# Altium PCB Connection_PCB.PcbDoc
Units mm, origin at the board's own origin, x right, y up, seen from the top; angles counter-clockwise.
Board outline 140 x 75 mm, 2 copper layers (Top Layer, Bottom Layer); 54 components, 51 nets, 398 pads, 12 vias.
Unrouted connection lines stored in the file: 27.
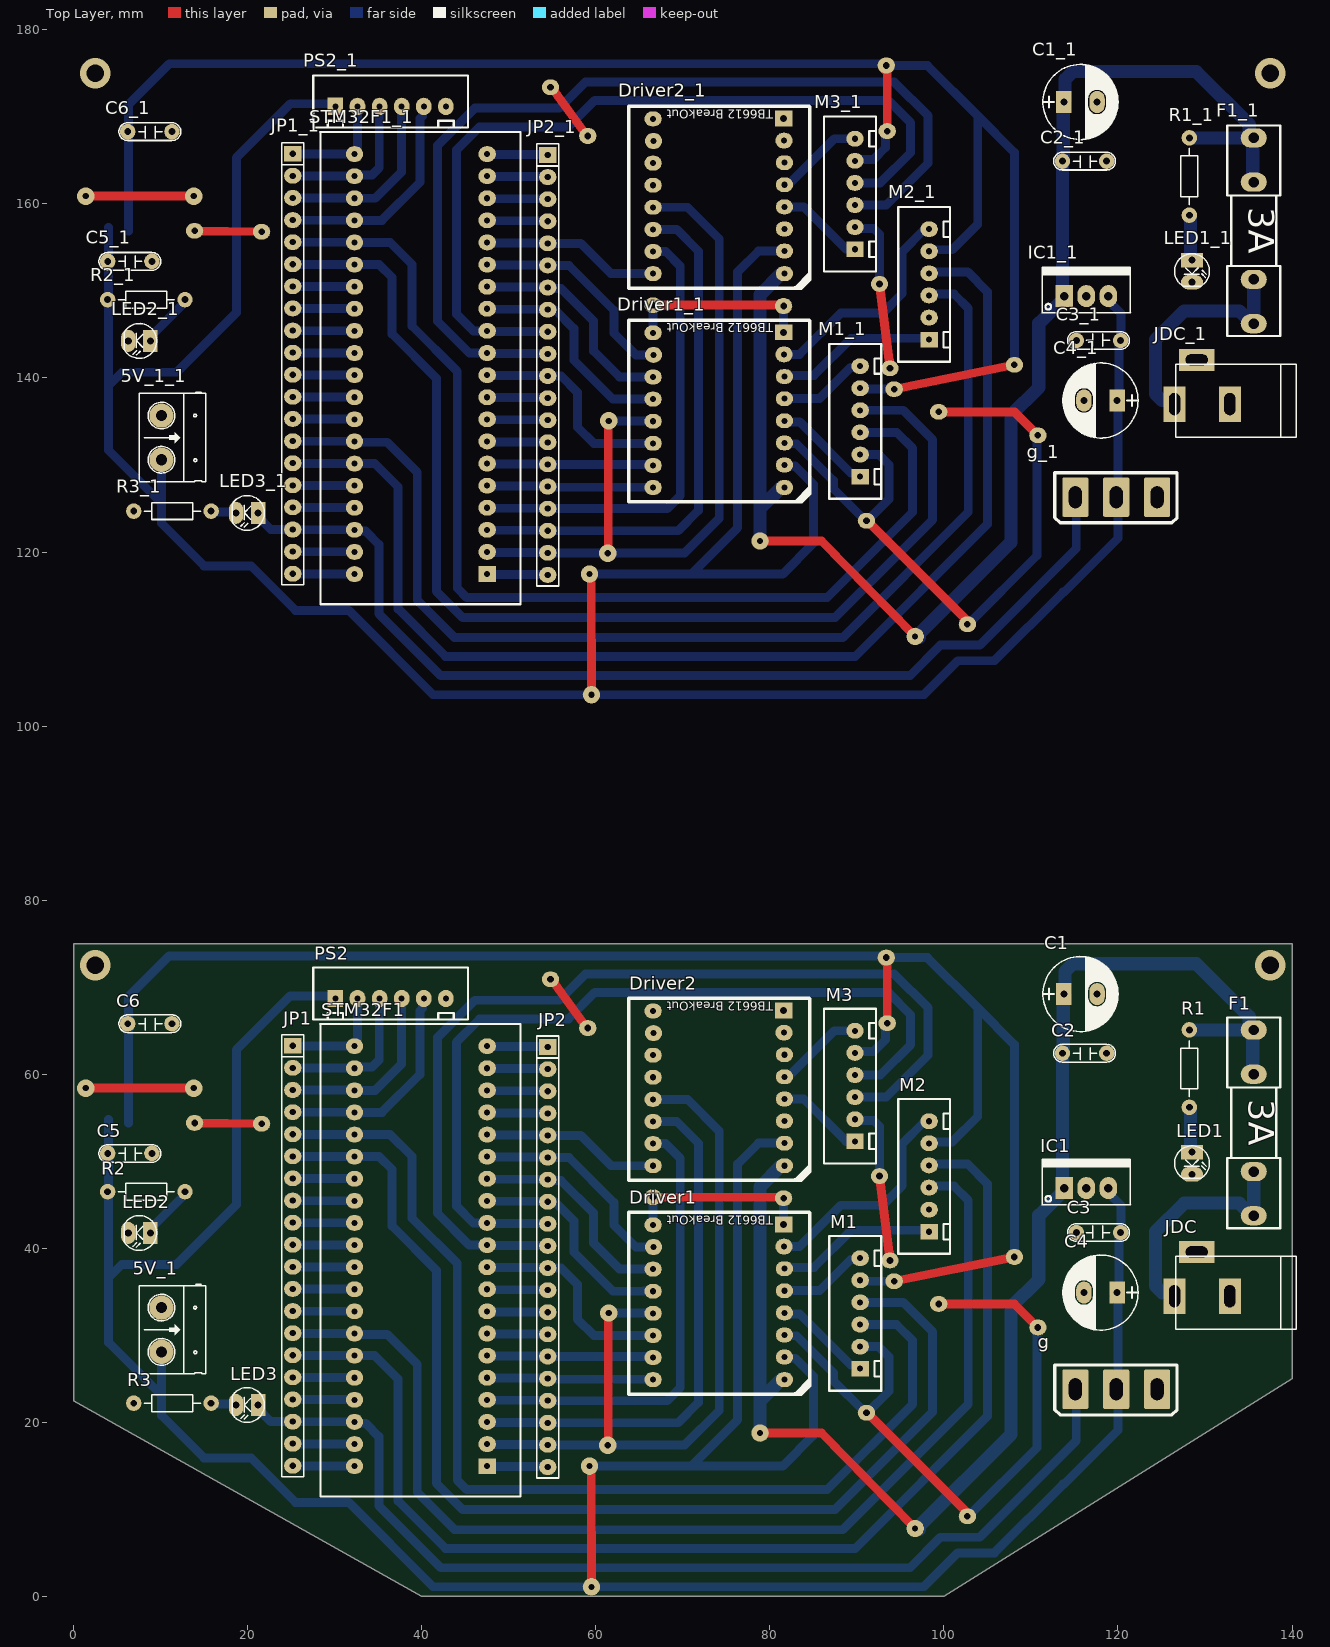
[diagram p0: Top Layer view]
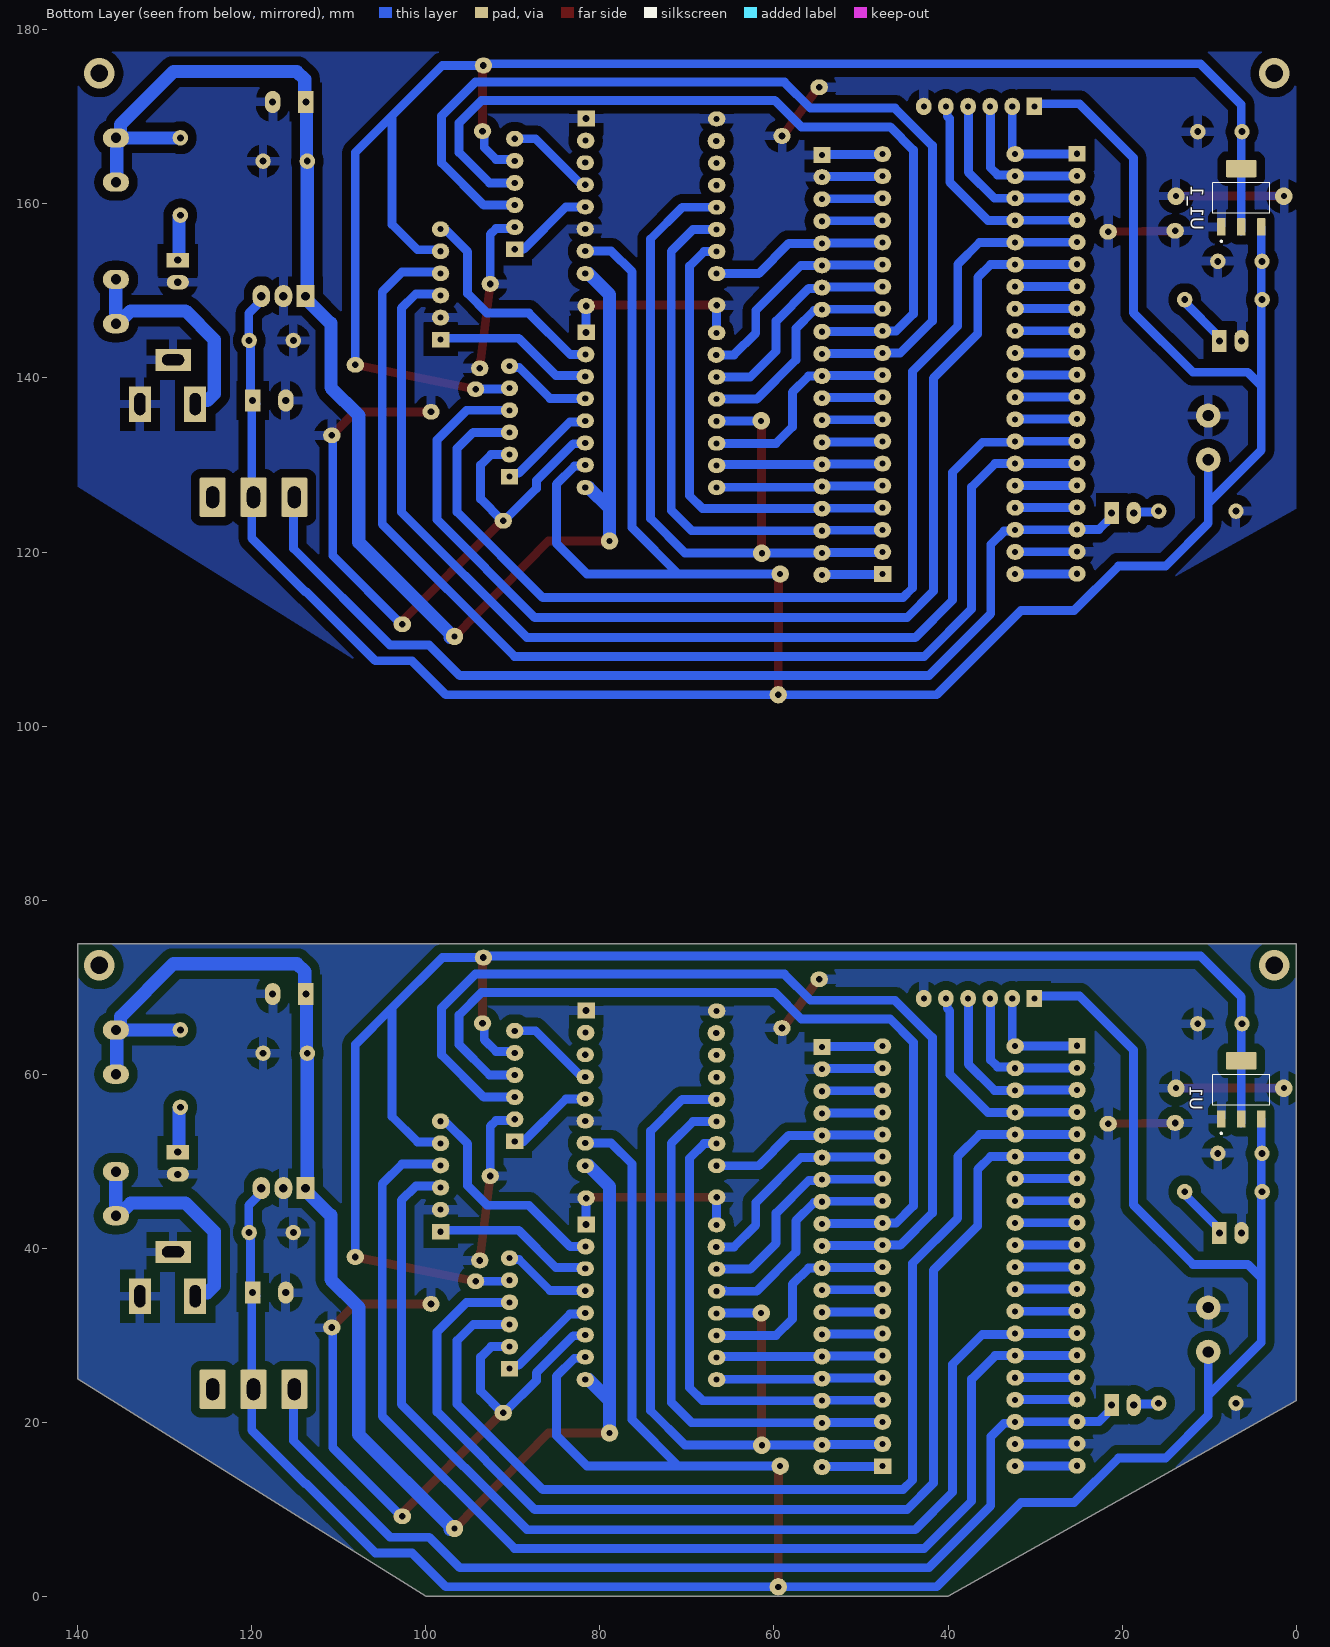
[diagram p1: Bottom Layer view, seen from below]

## Layer stack, top to bottom
Top Solder: solder mask 0.0102, Solder Resist, Dk 3.5
Top Layer: signal copper 0.0356
Dielectric 1: dielectric 0.32, FR-4, Dk 4.8
Bottom Layer: signal copper 0.0356
Bottom Solder: solder mask 0.0102, Solder Resist, Dk 3.5

## Board outline
40,0 0,22.5 0,75 140,75 140,25 100,0

## Design rules (kind name [scope] priority, off if disabled: settings)
Clearance Clearance_17 [InNamedPolygon('GND_L02_P000')] p1: gap=1.016 ignorepadtopadclearanceinfootprint=FALSE
Clearance Clearance_16 [InNamedPolygon('GND_L02_P001')] p2: gap=1.016 ignorepadtopadclearanceinfootprint=FALSE
Clearance Clearance_15 [InNamedPolygon('GND_L02_P002')] p3: gap=1.016 ignorepadtopadclearanceinfootprint=FALSE
Clearance Clearance_14 [InNamedPolygon('GND_L02_P000')] p4: gap=1.016 ignorepadtopadclearanceinfootprint=FALSE
Clearance Clearance_13 [InNamedPolygon('GND_L02_P000')] p5: gap=1.016 ignorepadtopadclearanceinfootprint=FALSE
Clearance Clearance_12 [InNamedPolygon('GND_L02_P001')] p6: gap=1.016 ignorepadtopadclearanceinfootprint=FALSE
Clearance Clearance_11 [InNamedPolygon('GND_L02_P000')] p7: gap=1.016 ignorepadtopadclearanceinfootprint=FALSE
Clearance Clearance_10 [InNamedPolygon('GND_L02_P000')] p8: gap=1.016 ignorepadtopadclearanceinfootprint=FALSE
Clearance Clearance_9 [InNamedPolygon('GND_L02_P000')] p9: gap=1.016 ignorepadtopadclearanceinfootprint=FALSE
Clearance Clearance_8 [InNamedPolygon('GND_L02_P000')] p10: gap=1.016 ignorepadtopadclearanceinfootprint=FALSE
Clearance Clearance_7 [InNamedPolygon('GND_L02_P000')] p11: gap=1.016 ignorepadtopadclearanceinfootprint=FALSE
Clearance Clearance_6 [InNamedPolygon('GND_L02_P000')] p12: gap=1.016 ignorepadtopadclearanceinfootprint=FALSE
Clearance Clearance_5 [InNamedPolygon('GND_L02_P000')] p13: gap=1.016 ignorepadtopadclearanceinfootprint=FALSE
Clearance Clearance_4 [InNamedPolygon('GND_L02_P000')] p14: gap=1.016 ignorepadtopadclearanceinfootprint=FALSE
Clearance Clearance_3 [InNamedPolygon('GND_L02_P001')] p15: gap=1.016 ignorepadtopadclearanceinfootprint=FALSE
Clearance Clearance_2 [InNamedPolygon('GND_L02_P000')] p16: gap=1.016 ignorepadtopadclearanceinfootprint=FALSE
Clearance Clearance_1 [InNamedPolygon('GND_L02_P000')] p17: gap=0.254 ignorepadtopadclearanceinfootprint=FALSE except(0: Arc-Hole Track-Hole SMDPad-Hole THPad-Hole Via-Hole Fill-Hole Poly-Hole Region-Hole Text-Hole; 1.016: Arc-Fill Arc-Poly Arc-Region Track-Fill Track-Poly Track-Region)
Clearance [All] p18: gap=0.254 ignorepadtopadclearanceinfootprint=FALSE except(0: Arc-Hole Track-Hole SMDPad-Hole THPad-Hole Via-Hole Fill-Hole Poly-Hole Region-Hole Text-Hole)
PolygonConnect PolygonConnect_15 [All vs IsNamedPolygon('GND_L02_P000')] p1: connectstyle=Relief reliefconductorwidth=1.016 reliefentries=4 polygonreliefangle="90 Angle" airgapwidth=1.016
PolygonConnect PolygonConnect_14 [All vs IsNamedPolygon('GND_L02_P001')] p2: connectstyle=Relief reliefconductorwidth=1.016 reliefentries=4 polygonreliefangle="90 Angle" airgapwidth=1.016
PolygonConnect PolygonConnect_13 [All vs IsNamedPolygon('GND_L02_P002')] p3: connectstyle=Relief reliefconductorwidth=1.016 reliefentries=4 polygonreliefangle="90 Angle" airgapwidth=1.016
PolygonConnect PolygonConnect_12 [All vs IsNamedPolygon('GND_L02_P000')] p4: connectstyle=Relief reliefconductorwidth=1.016 reliefentries=4 polygonreliefangle="90 Angle" airgapwidth=1.016
PolygonConnect PolygonConnect_11 [All vs IsNamedPolygon('GND_L02_P000')] p5: connectstyle=Relief reliefconductorwidth=1.016 reliefentries=4 polygonreliefangle="90 Angle" airgapwidth=1.016
PolygonConnect PolygonConnect_10 [All vs IsNamedPolygon('GND_L02_P001')] p6: connectstyle=Relief reliefconductorwidth=1.016 reliefentries=4 polygonreliefangle="90 Angle" airgapwidth=1.016
PolygonConnect PolygonConnect_9 [All vs IsNamedPolygon('GND_L02_P000')] p7: connectstyle=Relief reliefconductorwidth=1.016 reliefentries=4 polygonreliefangle="90 Angle" airgapwidth=1.016
PolygonConnect PolygonConnect_8 [All vs IsNamedPolygon('GND_L02_P000')] p8: connectstyle=Relief reliefconductorwidth=1.016 reliefentries=4 polygonreliefangle="90 Angle" airgapwidth=1.016
PolygonConnect PolygonConnect_7 [All vs IsNamedPolygon('GND_L02_P000')] p9: connectstyle=Relief reliefconductorwidth=1.016 reliefentries=4 polygonreliefangle="90 Angle" airgapwidth=1.016
PolygonConnect PolygonConnect_6 [All vs IsNamedPolygon('GND_L02_P000')] p10: connectstyle=Relief reliefconductorwidth=1.016 reliefentries=4 polygonreliefangle="90 Angle" airgapwidth=1.016
PolygonConnect PolygonConnect_5 [All vs IsNamedPolygon('GND_L02_P000')] p11: connectstyle=Relief reliefconductorwidth=1.016 reliefentries=4 polygonreliefangle="90 Angle" airgapwidth=1.016
PolygonConnect PolygonConnect_4 [All vs IsNamedPolygon('GND_L02_P000')] p12: connectstyle=Relief reliefconductorwidth=1.016 reliefentries=4 polygonreliefangle="90 Angle" airgapwidth=1.016
PolygonConnect PolygonConnect_3 [All vs IsNamedPolygon('GND_L02_P000')] p13: connectstyle=Relief reliefconductorwidth=1.016 reliefentries=4 polygonreliefangle="90 Angle" airgapwidth=1.016
PolygonConnect PolygonConnect_2 [All vs IsNamedPolygon('GND_L02_P001')] p14: connectstyle=Relief reliefconductorwidth=1.016 reliefentries=4 polygonreliefangle="90 Angle" airgapwidth=1.016
PolygonConnect PolygonConnect_1 [All vs IsNamedPolygon('GND_L02_P000')] p15: connectstyle=Relief reliefconductorwidth=1.016 reliefentries=4 polygonreliefangle="90 Angle" airgapwidth=1.016
PolygonConnect [All] p16: connectstyle=Relief reliefconductorwidth=0.254 reliefentries=4 polygonreliefangle="90 Angle" airgapwidth=0.254
RoutingVias [All] p1: holewidth=0.711 width=1.27 viastyle="Through Hole" minholewidth=0.711 minwidth=1.27 maxholewidth=0.711 maxwidth=1.27
SolderMaskExpansion [All] p1: expansion=0.102 istentingtop=FALSE
Width [All] p1: maxlimit=1.524 minlimit=1.016 preferedwidth=1.016 minimp=50.000000 maximp=50.000000 favimp=50.000000
30 further rules are at their usual default settings.

## Classes and differential pairs
component class Schematic: 5V_1 C1 C2 C3 C4 C5 C6 Driver1 Driver2 F1 g IC1 JP1 JP2 LED1 LED2 LED3 M1 M2 M3 PS2 R1 R2 R3 U1 y

## Components (designator, comment, footprint, x,y, rotation, side; value= is the part's Value field where it differs from the comment)
5V_1 "Header 2" HED2 10.1,33.18 r270 top
5V_1_1 "Header 2" HED2 10.1,135.68 r270 top (schematic designator 5V_1)
C1 "1000uF/16V" CP1.5/3.4 113.788,69.21 r0 top value=100uF/35V/50V
C1_1 "1000uF/16V" CP1.5/3.4 113.788,171.71 r0 top value=100uF/35V/50V (schematic designator C1)
C2 "104" CN2 118.7,62.41 r180 top value=0.1uF
C2_1 "104" CN2 118.7,164.91 r180 top value=0.1uF (schematic designator C2)
C3 "104" CN2 115.22,41.81 r0 top value=0.1uF
C3_1 "104" CN2 115.22,144.31 r0 top value=0.1uF (schematic designator C3)
C4 "1000uF/16V" CP1.5/3.4 119.9,34.91 r180 top value=100uF/35V/50V
C4_1 "1000uF/16V" CP1.5/3.4 119.9,137.41 r180 top value=100uF/35V/50V (schematic designator C4)
C5 "104" CN2 9,50.9 r180 top value=0.1uF
C5_1 "104" CN2 9,153.4 r180 top value=0.1uF (schematic designator C5)
C6 "104" CN2 11.3,65.8 r180 top value=0.1uF
C6_1 "104" CN2 11.3,168.3 r180 top value=0.1uF (schematic designator C6)
Driver1 "TB6612" TB6612 82.781,25.007 r180 top
Driver1_1 "TB6612" TB6612 82.781,127.507 r180 top (schematic designator Driver1)
Driver2 "TB6612" TB6612 82.781,49.587 r180 top
Driver2_1 "TB6612" TB6612 82.781,152.087 r180 top (schematic designator Driver2)
F1 "Fuse1" Fuse1 135.6,54.396 r270 top value=Fuse
F1_1 "Fuse1" Fuse1 135.6,156.896 r270 top value=Fuse (schematic designator F1)
g "MTS 103" "MTS 103" 115.1,23.8 r0 top (schematic designator S1)
g_1 "MTS 103" "MTS 103" 115.1,126.3 r0 top (schematic designator S1)
IC1 "LM7805" QTO-220 113.82,46.91 r0 top
IC1_1 "LM7805" QTO-220 113.82,149.41 r0 top (schematic designator IC1)
JDC "Jac DC" DC-IN 129.675,37.04 r180 top
JDC_1 "Jac DC" DC-IN 129.675,139.54 r180 top (schematic designator JDC)
JP1 "JP20" JP20-D1T 25.181,63.267 r270 top
JP1_1 "JP20" JP20-D1T 25.181,165.767 r270 top (schematic designator JP1)
JP2 "JP20" JP20-D1T 54.481,63.127 r270 top
JP2_1 "JP20" JP20-D1T 54.481,165.627 r270 top (schematic designator JP2)
LED1 "LED" LED-3 128.5,51.04 r270 top value="LED 3 ly Single Colour"
LED1_1 "LED" LED-3 128.5,153.54 r270 top value="LED 3 ly Single Colour" (schematic designator LED1)
LED2 "LED" LED-3 8.821,41.767 r180 top value="LED 3 ly Single Colour"
LED2_1 "LED" LED-3 8.821,144.267 r180 top value="LED 3 ly Single Colour" (schematic designator LED2)
LED3 "LED" LED-3 21.2,22 r180 top value="LED 3 ly Single Colour"
LED3_1 "LED" LED-3 21.2,124.5 r180 top value="LED 3 ly Single Colour" (schematic designator LED3)
M1 "JP6" CON_6P 90.381,26.164 r90 top value="Connector 6"
M1_1 "JP6" CON_6P 90.381,128.664 r90 top value="Connector 6" (schematic designator M1)
M2 "JP6" CON_6P 98.3,41.9 r90 top value="Connector 6"
M2_1 "JP6" CON_6P 98.3,144.4 r90 top value="Connector 6" (schematic designator M2)
M3 "JP6" CON_6P 89.781,52.287 r90 top value="Connector 6"
M3_1 "JP6" CON_6P 89.781,154.787 r90 top value="Connector 6" (schematic designator M3)
PS2 "JP6" CON_6P 30.08,68.7 r0 top value="Connector 6"
PS2_1 "JP6" CON_6P 30.08,171.2 r0 top value="Connector 6" (schematic designator PS2)
R1 "10k" R1/4W 128.2,56.2 r90 top value="R1/4W - 1K"
R1_1 "10k" R1/4W 128.2,158.7 r90 top value="R1/4W - 1K" (schematic designator R1)
R2 "Res1" R1/4W 12.8,46.5 r180 top value=220R
R2_1 "Res1" R1/4W 12.8,149 r180 top value=220R (schematic designator R2)
R3 "1k" R1/4W 15.8,22.2 r180 top value="R1/4W - 1K"
R3_1 "1k" R1/4W 15.8,124.7 r180 top value="R1/4W - 1K" (schematic designator R3)
STM32F1 "Bluepill" "Blue Pill" 32.281,14.967 r0 top
STM32F1_1 "Bluepill" "Blue Pill" 32.281,117.467 r0 top (schematic designator STM32F1)
U1 "AMS1117-3.3" SOT229P700X180-4N 6.3,58.2 r90 bottom
U1_1 "AMS1117-3.3" SOT229P700X180-4N 6.3,160.7 r90 bottom (schematic designator U1)

## Footprints (in the part's own frame and the unit in brackets; to place one, negate y for a bottom-side part, rotate by r counter-clockwise, add the part's x,y. Pads: shape width x height; smd on the part's side, far side on the other; paste and mask are expansions set on the pad)
"Blue Pill" [mm]
  oval 2x1.8 hole 0.7: 1(0,48.26) 2(0,45.72) 3(0,43.18) 4(0,40.64) 5(0,38.1) 6(0,35.56) 7(0,33.02) 8(0,30.48) 9(0,27.94) 10(0,25.4) 11(0,22.86) 12(0,20.32) 13(0,17.78) 14(0,15.24) 15(0,12.7) 16(0,10.16) 17(0,7.62) 18(0,5.08) 19(0,2.54) 20(0,0) 22(15.24,2.54) 23(15.24,5.08) 24(15.24,7.62) 25(15.24,10.16) 26(15.24,12.7) 27(15.24,15.24) 28(15.24,17.78) 29(15.24,20.32) 30(15.24,22.86) 31(15.24,25.4) 32(15.24,27.94) 33(15.24,30.48) 34(15.24,33.02) 35(15.24,35.56) 36(15.24,38.1) 37(15.24,40.64) 38(15.24,43.18) 39(15.24,45.72) 40(15.24,48.26)
  rect 2x1.8 hole 0.7: 21(15.24,0)
  silkscreen extent -3.94,-3.48 19.08,50.8, body extent -3.81,-3.48 19.05,50.8, height 3.56
CN2 [mil]
  round 70 hole 31: 1(0,0) 2(200,0)
  silkscreen extent -40,-40 240,40, body extent -54,-44 260,55, height 407
CON_6P [mm]
  rect 1.8x2 hole 0.7 unplated: 1(0,0)
  oval 1.8x2 hole 0.7 unplated: 2(2.54,0) 3(5.08,0)
  oval 1.8x2 hole 0.7 unplated mask+0.102: 4(7.62,0) 5(10.16,0) 6(12.7,0)
  silkscreen extent -2.54,-2.41 15.24,3.56, body extent -2.4,-2.29 15.1,3.41, height 7
CP1.5/3.4 [mil] "Tu hoa 220->470uF,16V, 470uF/16V,25V"
  rect 70x100 hole 32: 1(0,0)
  oval 70x100 hole 32: 2(150,0)
  silkscreen extent -95,-170 245,170, body extent -85,-157 230,157, height 446
DC-IN [mil] "Jac DC input"
  rect 100x160 hole 50 slot 100 at 90 deg: 1(125,100) 2(-125,100)
  rect 160x100 hole 50 slot 100 at 0 deg: 3(25,-100)
  silkscreen extent -425,-80 120,250, body extent -410,-105 134,269, height 434
Fuse1 [mm]
  oval 2.2x3 hole 1.2: 1(-10.684,0) 1(-5.604,0) 2(5.579,0) 2(10.659,0)
  silkscreen extent -12.12,-3.05 12.09,3.05, body extent -10.84,-2.95 10.87,2.95, height 9.75
HED2 [mil] "Header 2, 2 pin, hight 300mil, Pin to Pin 200, Colour Green"
  round 110 hole 50: 1(0,0) 2(200,0)
  silkscreen extent -106,-100 300,200, body extent -92,-140 302,155, height 394
JP20-D1T [mm] "20 pins, 1 row, straight, gold plating"
  rect 1.8x2 hole 0.7: 1(0,0)
  oval 1.8x2 hole 0.7: 2(2.54,0) 3(5.08,0) 4(7.62,0) 5(10.16,0) 6(12.7,0) 7(15.24,0) 8(17.78,0) 9(20.32,0) 10(22.86,0) 11(25.4,0) 12(27.94,0) 13(30.48,0) 14(33.02,0) 15(35.56,0) 16(38.1,0) 17(40.64,0) 18(43.18,0) 19(45.72,0) 20(48.26,0)
  silkscreen extent -1.27,-1.27 49.53,1.27, body extent -1.27,-1.27 49.53,1.27, height 8.54
LED-3 [mil] "LED 2 PIN, 3ly Only colour"
  rect 65x100 hole 32: 1(0,0)
  oval 65x100 hole 32: 2(100,0)
  silkscreen extent -29,-78 118,79, body extent -13,-75 125,75, height 217
"MTS 103" [mm]
  rrect10% 3x4.5 hole 2.5 slot 1.5 at 0 deg: 1(0,0) 2(4.7,0) 3(9.4,0)
  silkscreen extent -2.36,-2.95 11.68,2.79, body extent -2.09,-6 11.3,6, height 29.83
QTO-220 [mil] "TO-220 - 1-2-3"
  rect 80x100 hole 39: 1(0,0)
  oval 80x100 hole 39: 2(100,0) 3(200,0)
  silkscreen extent -100,-76 300,130, body extent -119,-64 322,121, height 755
R1/4W [mil] "R 1/4W, 2 Pin, 350mil"
  round 70 hole 31: 1(0,0) 2(350,0)
  silkscreen extent 48,-38 302,38, body extent -40,-47 386,47, height 111
SOT229P700X180-4N [mm]
  rrect15% 2x1 smd: 1(-3.345,2.29) 2(-3.345,0) 3(-3.345,-2.29)
  rrect15% 2x3.5 smd: 4(3.345,0)
  silkscreen extent -5.1,-3.25 1.75,3.25, body extent -3.5,-3.25 3.5,3.25, height 1.8
TB6612 [mm]
  oval 2x1.7 hole 0.7: 1(1.1,0.1) 2(1.1,-2.491) 3(1.1,-5.031) 4(1.1,-7.571) 5(1.1,-10.111) 6(1.1,-12.651) 9(16.2,-17.68) 11(16.2,-12.6) 12(16.2,-10.06) 13(16.2,-7.52) 14(16.2,-4.98) 15(16.2,-2.44) 16(16.2,0.1)
  oval 2x1.8 hole 0.7: 7(1.15,-15.191) 10(16.15,-15.14)
  rect 2x1.8 hole 0.8: 8(1.2,-17.731)
  silkscreen extent -1.83,-19.14 19,1.75, body extent -1.7,-19.28 19.2,1.7, height 3.54

## Part data
5V_1 5V_1_1: library part Hed2, "Header 2 (Green)"
C1 C1_1 C4 C4_1: library part CP3, "Cap 100uF/35V - 470uF/16V", Description 1="1000uF/6,3V - 470uF/16V - 330uF - 25V", Description 2="220uF/35V - 100uF/50V - 63V - 4,7uF/200V", Description 3="22uF => 33uF100V - 3,3uF => 4,7uF/250V", Description 4="2,2uF =>3,3uF/350 - 2,2uF/400V - 1uF/450V"
C2 C2_1 C3 C3_1 C5 C5_1 C6 C6_1: library part CN2, "Cap np 104 => 105pF"
F1 F1_1: library part Fuse, "Fuse", Designed by=VanDungEvn
IC1 IC1_1: library part LM78xx, "On ap +, from + 5 to + 24VDC"
JDC JDC_1: library part DCIN, "Jac DC input"
JP1 JP1_1 JP2 JP2_1: "WR-PHD 2.54 mm Angled Socket Header", Manufacturer="W¨¹rth Elektronik eiSos GmbH", partNo=613020143121, ComponentLink1 Description=Manufacturer, ComponentLink1URL=http://www.we-online.com, ComponentLink2 Description=Datasheet, ComponentLink2URL=http://katalog.we-online.de/em/datasheet/6130xx143121.pdf, Created by="Karrer Zheng", Created Date="29 March 2013", NoPins=20
LED1 LED1_1 LED2 LED2_1 LED3 LED3_1: "LED Single colour Green and Red"
M1 M1_1 M2 M2_1 M3 M3_1 PS2 PS2_1: library part Con6, "Connector 6"
R1 R1_1 R3 R3_1: library part R1/4W, "Resistor 1/4W"
R2 R2_1: library part Res1_4, "Resistor", Manufacturer="Generic Components", Class=Passive, Published=08/06/2000, Publisher="Altium Hobart Technology Centre", SubClass=Resistor
STM32F1 STM32F1_1: library part STM32F103C8T6, "STM32F103C8T6"
U1 U1_1: "Sot223/Pkg 1-Amp 3.3-Volt Low Drop Out Voltage Regulatator", Package="SOT-223 Seeed Technology", Availability="Not in stock", Check_prices=https://www.snapeda.com/parts/AMS1117-3.3/Advanced+Monolithic+Systems/view-part/?ref=eda, MF="Advanced Monolithic Systems", MP=AMS1117-3.3, Price=None, SnapEDA_Link=https://www.snapeda.com/parts/AMS1117-3.3/Advanced+Monolithic+Systems/view-part/?ref=snap
Driver1 Driver1_1 Driver2 Driver2_1: WEB=TECHMT.VN

## Free pads (board coordinates)
  round 2 hole 0.7: 2(59.5,1.102) 2(59.5,103.602) 5(59.281,14.967) 5(59.281,117.467) 6(78.881,18.767) 6(78.881,121.267) 6(96.7,7.8) 6(96.7,110.3)
  oval 2x1.8 hole 0.762: 9(66.581,45.867) 9(66.581,148.367) 10(81.581,45.767) 10(81.581,148.267) 11(94.281,36.213) 11(94.281,138.713) 12(93.481,65.867) 12(93.481,168.367) 13(93.381,73.404) 13(93.381,175.904) 14(108.1,39) 14(108.1,141.5) 15(59.081,65.303) 15(59.081,167.803) 16(54.8,70.9) 16(54.8,173.4) 17(13.9,54.4) 17(13.9,156.9) 18(21.6,54.3) 18(21.6,156.8) 19(92.6,48.3) 19(92.6,150.8) 20(93.8,38.6) 20(93.8,141.1) 21(91.1,21.102) 21(91.1,123.602) 22(102.7,9.2) 22(102.7,111.7) 23(99.4,33.6) 23(99.4,136.1) 24(110.8,30.9) 24(110.8,133.4)

## Via types
v1: diameter 2, hole 0.711, Top Layer to Bottom Layer, 8 vias
v2: diameter 3.5, hole 2, Top Layer to Bottom Layer, 4 vias

## Nets (pads, with @x,y where several pads share a name; then routed paths per layer and width w, separated by ;. In a path a pad name is that pad's centre, name@x,y a point inside that pad or via, vN(x,y) a via of type N, cw(c..) or ccw(c..) an arc to the next point about the centre after c; other vN are vias at no path point)
3V3_1: JP1.20 STM32F1.20 | length 7.1
  Bottom Layer w1.016: JP1.20 25.201,14.987 32.261,14.987 STM32F1.20
3V3_2: JP2.3 STM32F1.38 | length 7
  Bottom Layer w1.016: STM32F1.38 47.571,58.097 54.431,58.097 JP2.3
3V3_input: C6.2 M1.5 M2.5 M3.5 pad.11@94.281,36.213 pad.12@93.481,65.867 pad.13@93.381,73.404 pad.14@108.1,39 U1.2 U1.4 | length 196.8
  Top Layer w1.016: pad.13@93.381,73.404 92.981,73.137 93.481,72.637 pad.12@93.481,65.867 ; pad.11@94.281,36.213 pad.14@108.1,39
  Bottom Layer w1.016: U1.2@6.3,54.4 U1.2 U1.4 6.3,68.902 10.998,73.6 pad.13@92.782,73.6 ; M3.5 89.951,62.617 91.931,62.617 93.292,63.979 93.292,65.679 pad.12@93.481,65.867 ; M1.5 90.491,36.213 pad.11@94.281,36.213 ; pad.13@93.381,73.404 98.098,73.404 103.881,67.621 ; M2.5@98.981,52.223 100.961,52.223 103.881,55.144 103.881,67.621 ; pad.14@108.1,39.108 108.1,63.402 103.881,67.621
5V_IN: g.1 JP1.18 LED3.1 STM32F1.18 | length 118.6
  Bottom Layer w1.016: LED3.1 21.2,21.555 22.668,20.087 JP1.18 25.201,20.067 32.261,20.067 STM32F1.18 32.431,19.897 33.551,19.897 35.081,18.367 35.081,10.419 42.2,3.3 96.1,3.3 99.6,6.8 104.1,6.8 115.2,17.9 g.1@115.2,23.8
5V_input: 5V_1.2 C3.2 C4.1 C5.2 Driver1.2 Driver2.2 g.2 IC1.3 pad.2@59.5,1.102 pad.5@59.281,14.967 PS2.1 R2.2 U1.3 | length 338
  Top Layer w1.016: 59.478,13.967 pad.2@59.5,1.102
  Bottom Layer w1.016: U1.3@4.01,54.8 4.01,36.6 ; 5V_1.2 10.1,23.1 ; PS2.1@30.08,69 24.9,69 18.7,62.8 18.7,45 11.85,38.15 5.56,38.15 4.01,36.6 ; pad.5@59.281,14.967 70.966,14.967 ; Driver1.2 81.811,27.367 82.917,27.367 85,25.284 85,18.502 81.466,14.967 70.966,14.967 ; Driver2.2 78.691,52.078 76.3,49.687 76.3,20.302 70.966,14.967 ; IC1.3 118.9,46.381 120.35,44.931 120.35,41.86 C3.2 ; C4.1@119.519,34.529 C4.1 120,34.81 120,26.2 ; g.2@119.9,23.8 120,23.7 120,19.1 113.8,12.9 113.7,12.9 105.8,5 101.6,5 97.702,1.102 59.5,1.102 41.298,1.102 31.6,10.8 25.5,10.8 20.4,15.9 15,15.9 10.1,20.8 10.1,23.1 ; C4.1@120.134,34.91 C3.2@120.134,41.81 ; 4.01,36.6 4.01,29.19 10.1,23.1
+12V: C1.1 C2.2 Driver1.1 Driver2.1 F1.1 IC1.1 pad.6@78.881,18.767 pad.6@96.7,7.8 R1.2 | length 168.1
  Top Layer w1.016: pad.6@78.881,18.767 85.934,18.767 pad.6@96.7,7.8
  Bottom Layer w1.524: pad.6@78.881,18.767 78.881,22.507 ; Driver1.1 81.281,24.907 78.881,22.507 ; Driver2.1 81.281,49.487 78.881,47.087 78.881,22.507 ; pad.6@96.7,7.8 97.191,7.693 97.191,8.091 107.7,18.6 107.7,33.2 110.9,36.4 110.9,43.8 110.964,43.8 113.62,46.456 C2.2 113.669,62.458 113.669,62.638 113.7,62.669 113.7,69.121 113.915,69.337 113.915,71.807 114.808,72.7 129,72.7 135.071,66.629 135.071,65.392 F1.1@135.383,65.08 ; R1.2 128.21,65.08 F1.1@135.383,65.08 ; F1.1@135.5,65 135.5,60.1 F1.1@135.6,60 ; F1.1@135.6,65.08 F1.1@135.383,65.08
GND: 5V_1.1 C1.2 C2.1 C3.1 C4.2 C5.1 C6.1 Driver1.3 Driver1.8 Driver1.9 Driver2.3 Driver2.8 Driver2.9 IC1.2 JDC.2 JDC.3 JP1.19 JP2.1 JP2.2 LED1.2 LED2.2 M1.2 M2.2 M3.2 pad.9@66.581,45.867 pad.10@81.581,45.767 pad.15@59.081,65.303 pad.16@54.8,70.9 pad.17@13.9,54.4 pad.18@21.6,54.3 pad.19@92.6,48.3 pad.20@93.8,38.6 pad.21@91.1,21.102 pad.22@102.7,9.2 pad.23@99.4,33.6 pad.24@110.8,30.9 PS2.6 R3.2 STM32F1.19 STM32F1.39 STM32F1.40 U1.1 | length 168.7
  Top Layer w1.016: v1(1.4,58.4) v1(13.8,58.4) ; pad.17@13.9,54.4 pad.18@21.6,54.3 ; pad.16@54.8,70.9 54.9,70.9 58.981,65.303 pad.15@59.081,65.303 ; pad.9@66.581,45.867 81.243,45.867 81.443,45.667 pad.10@81.581,45.767 ; pad.21@91.1,21.102 91.199,21.102 103.201,9.1 pad.22@102.7,9.2 ; pad.19@92.6,48.3 93.681,39.558 93.731,39.508 93.731,38.854 pad.20@93.8,38.6 ; pad.23@99.4,33.6 108.1,33.6 pad.24@110.8,30.9
  Bottom Layer w1.016: JP1.19 25.201,17.527 32.261,17.527 STM32F1.19 ; STM32F1.39 47.571,60.637 54.431,60.637 JP2.2 ; STM32F1.40 47.571,63.177 54.431,63.177 JP2.1 ; Driver1.9 pad.9@66.581,45.867 ; Driver1.8 pad.10@81.581,45.767 ; Driver1.3 81.777,29.942 83.06,29.942 87.3,25.702 87.3,24.8 90.743,21.357 90.845,21.357 91.1,21.102 91.2,21.102 93.7,23.602 93.7,27.5 92.497,28.704 M1.2 ; Driver2.3 Driver2.3@81.811,54.487 ; M3.2 89.931,54.677 91.928,54.677 92.6,54.005 pad.19@92.6,48.3 ; pad.22@102.7,9.2 102.8,9.2 110.7,17.1 110.7,30.8 pad.24@110.8,30.9
M1+: Driver1.4 M1.1 | length 11.4
  Bottom Layer w1.016: Driver1.4 81.806,32.453 83.431,32.453 89.329,26.556 89.989,26.556 M1.1
M1-: Driver1.5 M1.6 | length 10.3
  Bottom Layer w1.016: Driver1.5 81.716,35.153 85.73,35.153 89.291,38.713 90.231,38.713 M1.6
M2+: Driver1.6 M2.1 | length 18.4
  Bottom Layer w1.016: Driver1.6 81.811,37.789 85.066,37.789 89.341,42.063 M2.1@98.3,42.063
M2-: Driver1.7 M2.6 | length 25.4
  Bottom Layer w1.016: Driver1.7 83.398,40.198 88.15,44.95 92.95,44.95 95.2,47.2 95.2,52 97.65,54.45 98.15,54.45 M2.6
M3+: Driver2.4 M3.1 | length 10.1
  Bottom Layer w1.016: Driver2.4 83.89,57.158 88.761,52.287 M3.1
M3-: Driver2.5 M3.6 | length 10.3
  Bottom Layer w1.016: Driver2.5 82.111,59.698 87.401,64.987 M3.6
NetF1_2: F1.2 JDC.1 | length 26.7
  Bottom Layer w1.524: JDC.1 126.1,34.9 125.1,34.9 124.3,35.7 124.3,36.6 124.3,41.9 127.6,45.2 133.92,45.2 135.128,43.992 135.383,43.737 F1.2@135.6,43.737 ; F1.2@135.6,48.817 135.611,48.806 135.611,44.475 F1.2@135.611,44.258
NetLED1_1: LED1.1 R1.1 | length 5.3
  Bottom Layer w1.016: R1.1 R1.1@128.346,56.054 ; LED1.1@128.346,51.194 LED1.1
  Bottom Layer w1.524: LED1.1@128.346,51.194 R1.1@128.346,56.054
NetLED2_1: LED2.1 R2.1 | length 6.1
  Bottom Layer w1.016: LED2.1 8.821,42.212 R2.1@12.844,46.235
NetLED3_2: LED3.2 R3.1 | length 2.9
  Bottom Layer w1.016: R3.1 15.9,22.1 18.56,22.1 LED3.2
NRST: JP2.4 STM32F1.37 | length 7
  Bottom Layer w1.016: STM32F1.37 47.571,55.557 54.431,55.557 JP2.4
PA0: Driver1.16 JP2.16 STM32F1.25 | length 19.2
  Bottom Layer w1.016: STM32F1.25 47.571,25.077 54.431,25.077 54.565,24.942 66.545,24.942 Driver1.16
PA1: Driver1.15 JP2.15 STM32F1.26 | length 19.2
  Bottom Layer w1.016: STM32F1.26 47.571,27.617 54.431,27.617 JP2.15 66.011,27.567 66.131,27.447 Driver1.15
PA2: JP2.14 STM32F1.27 | length 7
  Bottom Layer w1.016: STM32F1.27 47.571,30.157 54.431,30.157 JP2.14 JP2.14@54.491,30.097
PA3: JP2.13 STM32F1.28 | length 7
  Bottom Layer w1.016: STM32F1.28 47.571,32.697 54.431,32.697 JP2.13 JP2.13@54.491,32.637
PA4: JP2.12 STM32F1.29 | length 7
  Bottom Layer w1.016: STM32F1.29 47.571,35.237 54.431,35.237 JP2.12 JP2.12@54.491,35.177
PA5: Driver1.14 JP2.11 STM32F1.30 | length 24.7
  Bottom Layer w1.016: STM32F1.30 47.571,37.777 54.431,37.777 JP2.11 56.021,37.727 57.881,35.867 57.881,31.867 59.761,29.987 Driver1.14
PA6: JP2.10 M3.3 STM32F1.31 | length 111.2
  Bottom Layer w1.016: JP2.10 54.431,40.317 47.571,40.317 STM32F1.31 45.481,40.367 41.8,44.048 41.8,64.2 46.1,68.5 55.797,68.5 58.796,71.5 94.3,71.5 98.181,67.619 98.181,62.204 93.344,57.367 M3.3
PA7: JP2.9 M3.4 STM32F1.32 | length 97.1
  Bottom Layer w1.016: JP2.9 54.431,42.857 47.571,42.857 STM32F1.32 45.941,42.907 43.981,44.867 43.981,63.681 46.65,66.35 56.85,66.35 59.9,69.4 93.584,69.4 96.181,66.803 96.181,63.404 92.684,59.907 M3.4
PA8: JP1.5 M1.3 STM32F1.5 | length 125
  Bottom Layer w1.016: JP1.5 25.201,53.087 32.261,53.087 STM32F1.5 36.381,53.067 38.881,50.567 38.881,43.467 44.081,38.267 44.081,13.367 45.181,12.267 86.567,12.267 96.4,22.1 96.4,29.402 94.558,31.244 M1.3
PA9: JP1.6 M1.4 STM32F1.6 | length 132.1
  Bottom Layer w1.016: JP1.6 25.201,50.547 32.261,50.547 STM32F1.6 35.121,50.527 36.581,49.067 36.581,42.567 41.681,37.467 41.681,12.993 44.707,9.967 87.467,9.967 98.7,21.2 98.7,30.402 95.318,33.784 M1.4
PA10: JP1.7 STM32F1.7 | length 7.1
  Bottom Layer w1.016: JP1.7 25.201,48.007 32.261,48.007 STM32F1.7
PA11: JP1.8 STM32F1.8 | length 7.1
  Bottom Layer w1.016: JP1.8 25.201,45.467 32.261,45.467 STM32F1.8
PA12: JP1.9 STM32F1.9 | length 7.1
  Bottom Layer w1.016: JP1.9 25.201,42.927 32.261,42.927 STM32F1.9
PA15: JP1.10 STM32F1.10 | length 7.1
  Bottom Layer w1.016: JP1.10 25.201,40.387 32.261,40.387 STM32F1.10
PB0: Driver1.12 JP2.8 STM32F1.33 | length 25.5
  Bottom Layer w1.016: STM32F1.33 47.571,45.397 54.431,45.397 JP2.8 54.577,45.251 55.397,45.251 57.481,43.167 57.481,39.567 61.981,35.067 65.545,35.067 ; 65.545,35.102 66.545,35.102 Driver1.12
PB1: Driver1.11 JP2.7 STM32F1.34 | length 25.4
  Bottom Layer w1.016: STM32F1.34 47.571,47.937 54.431,47.937 JP2.7 54.577,47.791 55.997,47.791 59.751,44.037 59.751,40.597 62.741,37.607 Driver1.11
PB3: JP1.11 STM32F1.11 | length 7.1
  Bottom Layer w1.016: JP1.11 25.201,37.847 32.261,37.847 STM32F1.11
PB4: JP1.12 STM32F1.12 | length 7.1
  Bottom Layer w1.016: JP1.12 25.201,35.307 32.261,35.307 STM32F1.12
PB5: JP1.13 STM32F1.13 | length 7.1
  Bottom Layer w1.016: JP1.13 25.201,32.767 32.261,32.767 STM32F1.13
PB6: JP1.14 M2.3 STM32F1.14 | length 129.5
  Bottom Layer w1.016: JP1.14 25.201,30.227 32.261,30.227 STM32F1.14 32.378,30.11 36.038,30.11 39.481,26.667 39.481,11.967 43.781,7.667 88.367,7.667 102.8,22.1 102.8,45.5 101.157,47.143 M2.3@98.981,47.143
PB7: JP1.15 M2.4 STM32F1.15 | length 137.2
  Bottom Layer w1.016: JP1.15 25.201,27.687 32.261,27.687 STM32F1.15 34.581,27.667 37.281,24.967 37.281,10.967 42.748,5.5 89.798,5.5 105,20.702 105,47.4 102.717,49.683 M2.4@98.981,49.683
PB8: JP1.16 STM32F1.16 | length 7.1
  Bottom Layer w1.016: JP1.16 25.201,25.147 32.261,25.147 STM32F1.16
PB9: JP1.17 STM32F1.17 | length 7.1
  Bottom Layer w1.016: JP1.17 25.201,22.607 32.261,22.607 STM32F1.17
PB10: Driver1.10 JP2.6 STM32F1.35 | length 24.9
  Bottom Layer w1.016: STM32F1.35 47.571,50.477 54.431,50.477 JP2.6 56.921,50.427 62.096,45.252 62.096,42.652 64.601,40.147 Driver1.10
PB11: Driver2.16 JP2.5 STM32F1.36 | length 20.5
  Bottom Layer w1.016: STM32F1.36 47.571,53.017 54.431,53.017 JP2.5 58.281,52.967 61.761,49.487 Driver2.16
PB12: JP1.1 PS2.2 STM32F1.1 | length 13
  Bottom Layer w1.016: JP1.1 25.201,63.247 32.261,63.247 STM32F1.1 32.281,63.339 32.62,63.679 PS2.2@32.62,69
PB13: JP1.2 PS2.3 STM32F1.2 | length 17.7
  Bottom Layer w1.016: JP1.2 25.201,60.707 32.261,60.707 STM32F1.2 32.431,60.837 34.305,60.837 35.12,61.652 PS2.3@35.12,69
PB14: JP1.3 PS2.4 STM32F1.3 | length 21.6
  Bottom Layer w1.016: JP1.3 25.201,58.167 32.261,58.167 STM32F1.3 34.661,58.147 37.66,61.147 PS2.4@37.66,69
PB15: JP1.4 PS2.5 STM32F1.4 | length 25.6
  Bottom Layer w1.016: JP1.4 25.201,55.627 32.261,55.627 STM32F1.4 35.421,55.607 39.8,59.987 39.8,67.3 40.09,67.59 40.09,68.85 PS2.5@40.24,69
PC13: Driver1.13 Driver2.13 JP2.19 STM32F1.22 | length 89.9
  Top Layer w1.016: v1(61.381,17.367) 61.431,17.417 61.431,32.517 v1(61.481,32.567)
  Bottom Layer w1.016: STM32F1.22 47.571,17.457 54.431,17.457 JP2.19 70.225,17.407 74.181,21.362 74.181,53.467 70.541,57.107 Driver2.13 ; v1(61.481,32.567) 61.501,32.547 66.561,32.547 Driver1.13
PC14: Driver2.14 JP2.18 STM32F1.23 | length 61.3
  Bottom Layer w1.016: STM32F1.23 47.571,19.997 54.431,19.997 JP2.18 69.461,19.947 71.8,22.287 71.8,52.048 69.281,54.567 Driver2.14
PC15: Driver2.15 JP2.17 STM32F1.24 | length 53
  Bottom Layer w1.016: STM32F1.24 47.571,22.537 54.431,22.537 JP2.17 68.201,22.487 69.7,23.987 69.7,50.348 68.021,52.027 Driver2.15
VBAT: JP2.20 STM32F1.21 | length 7
  Bottom Layer w1.016: STM32F1.21 47.571,14.917 54.431,14.917 JP2.20
pads on no net: 5V_1_1.1 5V_1_1.2 C1_1.1 C1_1.2 C2_1.1 C2_1.2 C3_1.1 C3_1.2 C4_1.1 C4_1.2 C5_1.1 C5_1.2 C6_1.1 C6_1.2 Driver1_1.1 Driver1_1.2 Driver1_1.3 Driver1_1.4 Driver1_1.5 Driver1_1.6 Driver1_1.7 Driver1_1.8 Driver1_1.9 Driver1_1.10 Driver1_1.11 Driver1_1.12 Driver1_1.13 Driver1_1.14 Driver1_1.15 Driver1_1.16 Driver2.6 Driver2.7 Driver2.10 Driver2.11 Driver2.12 Driver2_1.1 Driver2_1.2 Driver2_1.3 Driver2_1.4 Driver2_1.5 Driver2_1.6 Driver2_1.7 Driver2_1.8 Driver2_1.9 Driver2_1.10 Driver2_1.11 Driver2_1.12 Driver2_1.13 Driver2_1.14 Driver2_1.15 Driver2_1.16 F1_1.1 F1_1.2 g.3 g_1.1 g_1.2 g_1.3 IC1_1.1 IC1_1.2 IC1_1.3 JDC_1.1 JDC_1.2 JDC_1.3 JP1_1.1 JP1_1.2 JP1_1.3 JP1_1.4 JP1_1.5 JP1_1.6 JP1_1.7 JP1_1.8 JP1_1.9 JP1_1.10 JP1_1.11 JP1_1.12 JP1_1.13 JP1_1.14 JP1_1.15 JP1_1.16 JP1_1.17 JP1_1.18 JP1_1.19 JP1_1.20 JP2_1.1 JP2_1.2 JP2_1.3 JP2_1.4 JP2_1.5 JP2_1.6 JP2_1.7 JP2_1.8 JP2_1.9 JP2_1.10 JP2_1.11 JP2_1.12 JP2_1.13 JP2_1.14 JP2_1.15 JP2_1.16 JP2_1.17 JP2_1.18 JP2_1.19 JP2_1.20 LED1_1.1 LED1_1.2 LED2_1.1 LED2_1.2 LED3_1.1 LED3_1.2 M1_1.1 M1_1.2 M1_1.3 M1_1.4 M1_1.5 M1_1.6 M2_1.1 M2_1.2 M2_1.3 M2_1.4 M2_1.5 M2_1.6 M3_1.1 M3_1.2 M3_1.3 M3_1.4 M3_1.5 M3_1.6 PS2_1.1 PS2_1.2 PS2_1.3 PS2_1.4 PS2_1.5 PS2_1.6 R1_1.1 R1_1.2 R2_1.1 R2_1.2 R3_1.1 R3_1.2 STM32F1_1.1 STM32F1_1.2 STM32F1_1.3 STM32F1_1.4 STM32F1_1.5 STM32F1_1.6 STM32F1_1.7 STM32F1_1.8 STM32F1_1.9 STM32F1_1.10 STM32F1_1.11 STM32F1_1.12 STM32F1_1.13 STM32F1_1.14 STM32F1_1.15 STM32F1_1.16 STM32F1_1.17 STM32F1_1.18 STM32F1_1.19 STM32F1_1.20 STM32F1_1.21 STM32F1_1.22 STM32F1_1.23 STM32F1_1.24 STM32F1_1.25 STM32F1_1.26 STM32F1_1.27 STM32F1_1.28 STM32F1_1.29 STM32F1_1.30 STM32F1_1.31 STM32F1_1.32 STM32F1_1.33 STM32F1_1.34 STM32F1_1.35 STM32F1_1.36 STM32F1_1.37 STM32F1_1.38 STM32F1_1.39 STM32F1_1.40 U1_1.1 U1_1.2 U1_1.3 U1_1.4
copper on no net: | length 2403.9
  Top Layer w1.016: v1(1.4,160.9) v1(13.8,160.9) ; 13.9,156.9 21.6,156.8 ; 54.8,173.4 54.9,173.4 58.981,167.803 59.081,167.803 ; 59.478,116.467 59.5,103.602 ; v1(61.381,119.867) 61.431,119.917 61.431,135.017 v1(61.481,135.067) ; 66.581,148.367 81.243,148.367 81.443,148.167 81.581,148.267 ; 78.881,121.267 85.934,121.267 96.7,110.3 ; 91.1,123.602 91.199,123.602 103.201,111.6 102.7,111.7 ; 92.6,150.8 93.681,142.058 93.731,142.008 93.731,141.354 93.8,141.1 ; 93.381,175.904 92.981,175.637 93.481,175.137 93.481,168.367 ; 94.281,138.713 108.1,141.5 ; 99.4,136.1 108.1,136.1 110.8,133.4
  Bottom Layer w1.016: 4.01,157.3 4.01,139.1 ; 6.3,156.9 6.3,157.355 6.3,164.045 6.3,171.402 10.998,176.1 92.782,176.1 ; 8.821,144.267 8.821,144.712 12.844,148.735 ; 10.1,130.6 10.1,125.6 ; 15.8,124.7 15.9,124.6 18.56,124.6 18.66,124.5 ; 21.2,124.5 21.2,124.055 22.668,122.587 25.181,122.587 25.201,122.567 32.261,122.567 32.281,122.547 32.431,122.397 33.551,122.397 35.081,120.867 35.081,112.919 42.2,105.8 96.1,105.8 99.6,109.3 104.1,109.3 115.2,120.4 115.2,126.3 ; 25.181,117.507 25.201,117.487 32.261,117.487 32.281,117.467 ; 25.181,120.047 25.201,120.027 32.261,120.027 32.281,120.007 ; 25.181,125.127 25.201,125.107 32.261,125.107 32.281,125.087 ; 25.181,127.667 25.201,127.647 32.261,127.647 32.281,127.627 ; 25.181,130.207 25.201,130.187 32.261,130.187 32.281,130.167 34.581,130.167 37.281,127.467 37.281,113.467 42.748,108 89.798,108 105,123.202 105,149.9 102.717,152.184 98.981,152.184 ; 25.181,132.747 25.201,132.727 32.261,132.727 32.281,132.707 32.378,132.61 36.038,132.61 39.481,129.167 39.481,114.467 43.781,110.167 88.367,110.167 102.8,124.6 102.8,148 101.157,149.644 98.981,149.644 ; 25.181,135.287 25.201,135.267 32.261,135.267 32.281,135.247 ; 25.181,137.827 25.201,137.807 32.261,137.807 32.281,137.787 ; 25.181,140.367 25.201,140.347 32.261,140.347 32.281,140.327 ; 25.181,142.907 25.201,142.887 32.261,142.887 32.281,142.867 ; 25.181,145.447 25.201,145.427 32.261,145.427 32.281,145.407 ; 25.181,147.987 25.201,147.967 32.261,147.967 32.281,147.947 ; 25.181,150.527 25.201,150.507 32.261,150.507 32.281,150.487 ; 25.181,153.067 25.201,153.047 32.261,153.047 32.281,153.027 35.121,153.027 36.581,151.567 36.581,145.067 41.681,139.967 41.681,115.493 44.707,112.467 87.467,112.467 98.7,123.7 98.7,132.902 95.318,136.284 90.381,136.284 ; 25.181,155.607 25.201,155.587 32.261,155.587 32.281,155.567 36.381,155.567 38.881,153.067 38.881,145.967 44.081,140.767 44.081,115.867 45.181,114.767 86.567,114.767 96.4,124.6 96.4,131.902 94.558,133.744 90.381,133.744 ; 25.181,158.147 25.201,158.127 32.261,158.127 32.281,158.107 35.421,158.107 39.8,162.487 39.8,169.8 40.09,170.09 40.09,171.35 40.24,171.5 ; 25.181,160.687 25.201,160.667 32.261,160.667 32.281,160.647 34.661,160.647 37.66,163.647 37.66,171.5 ; 25.181,163.227 25.201,163.207 32.261,163.207 32.281,163.187 32.431,163.337 34.305,163.337 35.12,164.152 35.12,171.5 ; 25.181,165.767 25.201,165.747 32.261,165.747 32.281,165.727 32.281,165.839 32.62,166.179 32.62,171.5 ; 30.08,171.5 24.9,171.5 18.7,165.3 18.7,147.5 11.85,140.65 5.56,140.65 4.01,139.1 ; 47.521,117.467 47.571,117.417 54.431,117.417 54.481,117.367 ; 47.521,120.007 47.571,119.957 54.431,119.957 54.481,119.907 70.225,119.907 74.181,123.862 74.181,155.967 70.541,159.607 66.581,159.607 ; 47.521,122.547 47.571,122.497 54.431,122.497 54.481,122.447 69.461,122.447 71.8,124.787 71.8,154.548 69.281,157.067 66.581,157.067 ; 47.521,125.087 47.571,125.037 54.431,125.037 54.481,124.987 68.201,124.987 69.7,126.487 69.7,152.848 68.021,154.527 66.581,154.527 ; 47.521,127.627 47.571,127.577 54.431,127.577 54.565,127.442 66.545,127.442 66.581,127.407 ; 47.521,130.167 47.571,130.117 54.431,130.117 54.481,130.067 66.011,130.067 66.131,129.947 66.581,129.947 ; 47.521,132.707 47.571,132.657 54.431,132.657 54.481,132.607 54.491,132.597 ; 47.521,135.247 47.571,135.197 54.431,135.197 54.481,135.147 54.491,135.137 ; 47.521,137.787 47.571,137.737 54.431,137.737 54.481,137.687 54.491,137.677 ; 47.521,140.327 47.571,140.277 54.431,140.277 54.481,140.227 56.021,140.227 57.881,138.367 57.881,134.367 59.761,132.487 66.581,132.487 ; 47.521,147.947 47.571,147.897 54.431,147.897 54.481,147.847 54.577,147.751 55.397,147.751 57.481,145.667 57.481,142.067 61.981,137.567 65.545,137.567 ; 47.521,150.487 47.571,150.437 54.431,150.437 54.481,150.387 54.577,150.291 55.997,150.291 59.751,146.537 59.751,143.097 62.741,140.107 66.581,140.107 ; 47.521,153.027 47.571,152.977 54.431,152.977 54.481,152.927 56.921,152.927 62.096,147.752 62.096,145.152 64.601,142.647 66.631,142.647 ; 47.521,155.567 47.571,155.517 54.431,155.517 54.481,155.467 58.281,155.467 61.761,151.987 66.581,151.987 ; 47.521,158.107 47.571,158.057 54.431,158.057 54.481,158.007 ; 47.521,160.647 47.571,160.597 54.431,160.597 54.481,160.547 ; 47.521,163.187 47.571,163.137 54.431,163.137 54.481,163.087 ; 47.521,165.727 47.571,165.677 54.431,165.677 54.481,165.627 ; 54.481,142.767 54.431,142.817 47.571,142.817 47.521,142.867 45.481,142.867 41.8,146.548 41.8,166.7 46.1,171 55.797,171 58.796,174 94.3,174 98.181,170.119 98.181,164.704 93.344,159.867 89.781,159.867 ; 54.481,145.307 54.431,145.357 47.571,145.357 47.521,145.407 45.941,145.407 43.981,147.367 43.981,166.181 46.65,168.85 56.85,168.85 59.9,171.9 93.584,171.9 96.181,169.303 96.181,165.904 92.684,162.407 89.781,162.407 ; 59.281,117.467 70.966,117.467 ; v1(61.481,135.067) 61.501,135.047 66.561,135.047 66.581,135.027 ; 65.545,137.602 66.545,137.602 66.581,137.567 ; 66.581,145.187 66.581,148.367 ; 81.581,145.238 81.581,148.267 ; 81.631,142.698 83.398,142.698 88.15,147.45 92.95,147.45 95.2,149.7 95.2,154.5 97.65,156.95 98.15,156.95 98.3,157.1 ; 81.681,129.998 81.811,129.867 82.917,129.867 85,127.784 85,121.002 81.466,117.467 70.966,117.467 ; 81.681,132.538 81.777,132.442 83.06,132.442 87.3,128.202 87.3,127.3 90.743,123.857 90.845,123.857 91.1,123.602 91.2,123.602 93.7,126.102 93.7,130 92.497,131.204 90.381,131.204 ; 81.681,135.078 81.806,134.953 83.431,134.953 89.329,129.056 89.989,129.056 90.381,128.664 ; 81.681,137.618 81.716,137.653 85.73,137.653 89.291,141.213 90.231,141.213 90.381,141.364 ; 81.681,140.158 81.811,140.289 85.066,140.289 89.341,144.564 98.3,144.564 ; 81.681,154.578 78.691,154.578 76.3,152.187 76.3,122.802 70.966,117.467 ; 81.681,157.118 81.811,156.987 ; 81.681,159.658 83.89,159.658 88.761,154.787 89.781,154.787 ; 81.681,162.198 82.111,162.198 87.401,167.487 89.781,167.487 ; 89.781,157.327 89.931,157.177 91.928,157.177 92.6,156.505 92.6,150.8 ; 89.781,164.947 89.951,165.117 91.931,165.117 93.292,166.479 93.292,168.179 93.481,168.367 ; 90.381,138.824 90.491,138.713 94.281,138.713 ; 93.381,175.904 98.098,175.904 103.881,170.121 ; 98.981,154.724 100.961,154.724 103.881,157.644 103.881,170.121 ; 102.7,111.7 102.8,111.7 110.7,119.6 110.7,133.3 110.8,133.4 ; 108.1,141.608 108.1,165.902 103.881,170.121 ; 118.9,149.41 118.9,148.881 120.35,147.431 120.35,144.36 120.3,144.31 ; 119.519,137.029 119.9,137.41 120,137.31 120,128.7 ; 119.9,126.3 120,126.2 120,121.6 113.8,115.4 113.7,115.4 105.8,107.5 101.6,107.5 97.702,103.602 59.5,103.602 41.298,103.602 31.6,113.3 25.5,113.3 20.4,118.4 15,118.4 10.1,123.3 10.1,125.6 ; 120.134,137.41 120.134,144.31 ; 128.2,158.7 128.346,158.554 ; 128.346,153.694 128.5,153.54 ; 4.01,139.1 4.01,131.69 10.1,125.6
  Bottom Layer w1.524: 78.881,121.267 78.881,125.007 ; 81.681,127.407 81.281,127.407 78.881,125.007 ; 81.681,151.987 81.281,151.987 78.881,149.587 78.881,125.007 ; 96.7,110.3 97.191,110.193 97.191,110.591 107.7,121.1 107.7,135.7 110.9,138.9 110.9,146.3 110.964,146.3 113.62,148.956 113.62,164.91 113.669,164.958 113.669,165.138 113.7,165.169 113.7,171.621 113.915,171.837 113.915,174.307 114.808,175.2 129,175.2 135.071,169.129 135.071,167.892 135.383,167.58 ; 126.5,137 126.1,137.4 125.1,137.4 124.3,138.2 124.3,139.1 124.3,144.4 127.6,147.7 133.92,147.7 135.128,146.492 135.383,146.237 135.6,146.237 ; 128.2,167.59 128.21,167.58 135.383,167.58 ; 128.346,153.694 128.346,158.554 ; 135.5,167.5 135.5,162.6 135.6,162.5 ; 135.6,151.317 135.611,151.306 135.611,146.975 135.611,146.758 ; 135.6,167.58 135.383,167.58
  other v2: 2.5,72.5 137.5,72.5 2.5,175 137.5,175

## Polygon pours and split planes (outlines as drawn)
no net on Bottom Layer "NONET_L02_P001" (solid, remove dead copper, pour order 1): 0,125 0,177.5 140,177.5 140,127.5 100,102.5 40,102.5
GND on Bottom Layer "GND_L02_P000" (solid, remove dead copper, pour order 0): 0,22.5 0,75 140,75 140,25 100,0 40,0

## Text inside footprints (layer, text, board x,y; h text height)
Driver1: Top Overlay "TB6612 BreakOut" at 80.381,44.107 h1.7 r180
Driver1_1: Top Overlay "TB6612 BreakOut" at 80.381,146.607 h1.7 r180
Driver2: Top Overlay "TB6612 BreakOut" at 80.381,68.687 h1.7 r180
Driver2_1: Top Overlay "TB6612 BreakOut" at 80.381,171.187 h1.7 r180
F1: Top Overlay "3A" at 134.051,57.139 h5 r270
F1_1: Top Overlay "3A" at 134.051,159.639 h5 r270